# Altium PCB Even.PcbDoc (part 3 of 3)
Units mm, origin at the board's own origin, x right, y up, seen from the top; angles counter-clockwise.
Board outline 382.95 x 69.8 mm, 4 copper layers (Top Layer, Internal Top, Internal Bottom, Bottom Layer), stack 0.778 mm thick; 240 components, 191 nets, 723 pads, 380 vias.
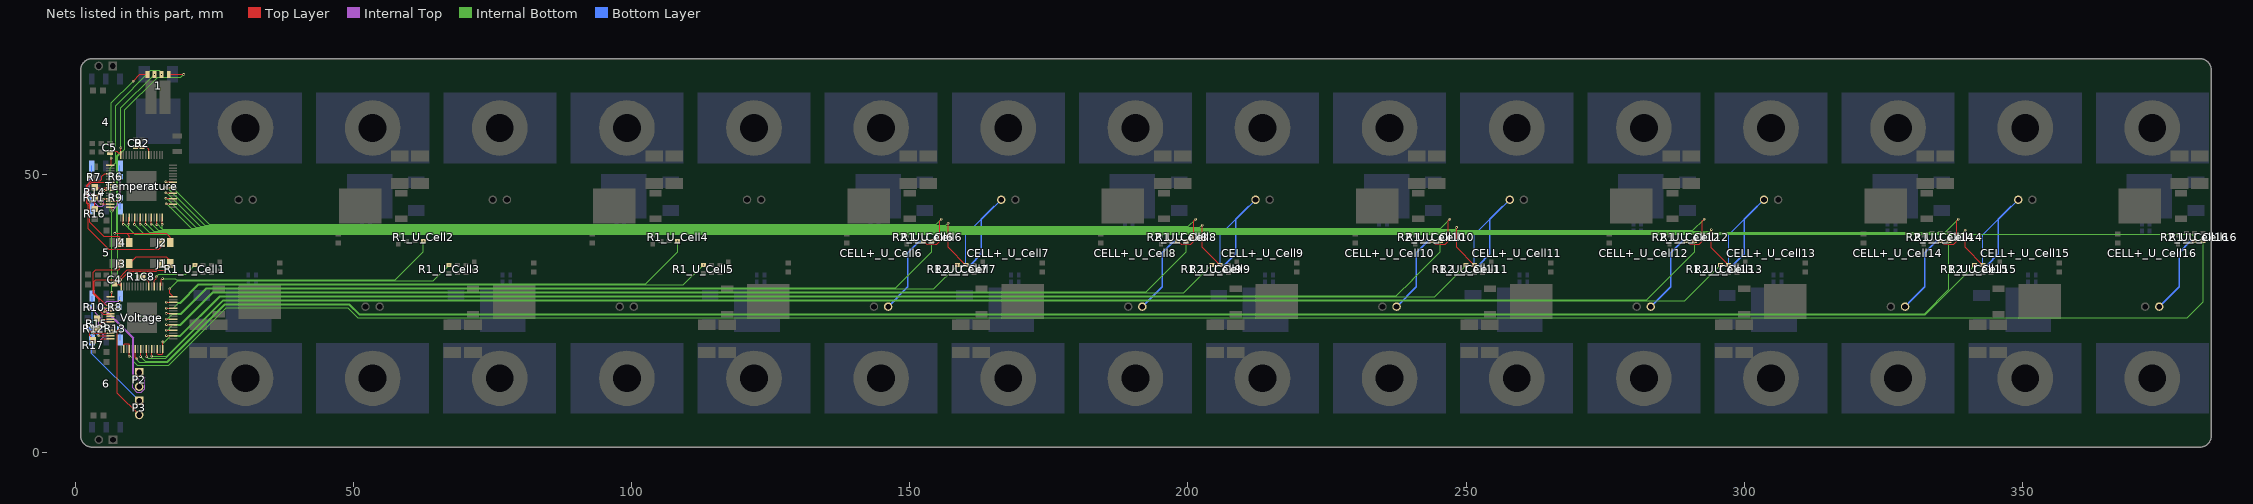
[diagram p5: the nets of this part, all layers, seen from the top]

## Via types
v1: diameter 0.45, hole 0.2, Top Layer to Bottom Layer, 282 vias
v2: diameter 3, hole 1.85, Top Layer to Bottom Layer, 96 vias
v3: diameter 3, hole 2, Top Layer to Bottom Layer, 2 vias

## Nets (pads, with @x,y where several pads share a name; then routed paths per layer and width w, separated by ;. In a path a pad name is that pad's centre, name@x,y a point inside that pad or via, vN(x,y) a via of type N, cw(c..) or ccw(c..) an arc to the next point about the centre after c; other vN are vias at no path point) (continued)
T6: CELL+_U_Cell6.1 R2_U_Cell6.1 Temperature.26 | length 166.6
  Top Layer w0.089: v1(152.475,38.05) 153.075,37.45 154.825,37.45 155.4,38.025 155.4,41.7 v1(155.7,42)
  Top Layer w0.127: v1(16.3,48.725) 17.475,48.725 Temperature.26@17.55,48.65
  Internal Bottom w0.089: v1(16.3,48.725) 16.431,48.725 24.11,41.045 154.745,41.045 v1(155.7,42)
  Bottom Layer w0.254: CELL+_U_Cell6.1@146.115,26.25 149.675,29.81 149.675,35.975 151.725,38.025 152.45,38.025 v1(152.475,38.05)
T7: CELL+_U_Cell7.1 R2_U_Cell7.1 Temperature.24 | length 181
  Top Layer w0.089: v1(16.3,47.725) 16.435,47.725 16.505,47.655 16.505,47.625 16.531,47.65 Temperature.24@17.55,47.65 ; v1(156.9,41.23) 156.9,36.9 v1(160.1,33.7)
  Internal Bottom w0.089: v1@16.505,47.65 23.288,40.867 156.437,40.867 156.8,41.23 v1(156.9,41.23)
  Bottom Layer w0.127: v1(160.1,33.7) 160.1,39.14 162.9,41.94 CELL+_U_Cell7.1@166.46,45.5
  Bottom Layer w0.254: v1@160.125,33.725 160.85,33.725 162.9,35.775 162.9,41.94 165.23,44.27
T8: CELL+_U_Cell8.1 R2_U_Cell8.1 Temperature.22 | length 211.8
  Top Layer w0.089: v1(198.175,38.05) 198.775,37.45 200.525,37.45 201.1,38.025 201.1,41.7 v1(201.4,42)
  Top Layer w0.127: v1(16.3,46.7) 17.5,46.7 Temperature.22@17.55,46.65
  Internal Bottom w0.089: v1(16.3,46.7) 16.456,46.7 22.466,40.689 156.324,40.689 156.352,40.662 156.522,40.662 156.55,40.689 200.089,40.689 v1(201.4,42)
  Bottom Layer w0.254: CELL+_U_Cell8.1@191.815,26.25 195.375,29.81 195.375,35.975 197.425,38.025 198.15,38.025 v1(198.175,38.05)
T9: CELL+_U_Cell9.1 R2_U_Cell9.1 Temperature.20 | length 225.7
  Top Layer w0.089: v1(16.3,45.7) 17.5,45.7 Temperature.20@17.55,45.65 ; v1(202.6,40.9) 202.6,36.9 v1(205.8,33.7)
  Internal Bottom w0.089: v1@16.505,45.65 21.644,40.512 156.251,40.512 156.278,40.484 156.596,40.484 156.623,40.512 202.112,40.512 202.5,40.9 v1(202.6,40.9)
  Bottom Layer w0.127: v1(205.8,33.7) 205.8,39.14 208.6,41.94 CELL+_U_Cell9.1@212.16,45.5
  Bottom Layer w0.254: v1@205.825,33.725 206.55,33.725 208.6,35.775 208.6,41.94 210.93,44.27
T10: CELL+_U_Cell10.1 R2_U_Cell10.1 Temperature.18 | length 257
  Top Layer w0.089: v1(243.875,38.05) 244.475,37.45 246.225,37.45 246.8,38.025 246.8,41.7 v1(247.1,42)
  Top Layer w0.127: v1(16.325,44.725) 17.475,44.725 Temperature.18@17.55,44.65
  Internal Bottom w0.089: v1(16.325,44.725) 16.431,44.725 20.822,40.334 156.177,40.334 156.205,40.306 156.669,40.306 156.697,40.334 201.999,40.334 202.027,40.306 202.197,40.306 202.224,40.334 245.434,40.334 246.878,41.778 v1(247.1,42)
  Bottom Layer w0.254: CELL+_U_Cell10.1@237.515,26.25 241.075,29.81 241.075,35.975 243.125,38.025 243.85,38.025 v1(243.875,38.05)
T11: CELL+_U_Cell11.1 R2_U_Cell11.1 Temperature.14 Temperature.16 | length 273.5
  Top Layer w0.089: v1(248.3,40.5) 248.3,36.9 v1(251.5,33.7)
  Top Layer w0.127: v1(14.675,41) Temperature.14@14.675,42.275 ; v1(15.625,41.025) 15.625,42.225 Temperature.16@15.675,42.275
  Internal Bottom w0.089: v1(14.675,41) 14.675,41.203 15.675,40.203 ; v1(15.625,41.025) 15.625,40.253 15.675,40.203 ; v1(248.3,40.5) 248.3,40.4 248.056,40.156 202.298,40.156 202.27,40.128 201.953,40.128 201.925,40.156 156.771,40.156 156.743,40.128 156.131,40.128 156.103,40.156 15.722,40.156 15.675,40.203
  Bottom Layer w0.127: v1(251.5,33.7) 251.5,39.14 254.3,41.94 CELL+_U_Cell11.1@257.86,45.5
  Bottom Layer w0.254: v1@251.525,33.725 252.25,33.725 254.3,35.775 254.3,41.94 256.63,44.27
T12: CELL+_U_Cell12.1 R2_U_Cell12.1 Temperature.12 | length 304.1
  Top Layer w0.089: v1(289.575,38.05) 290.175,37.45 291.925,37.45 292.5,38.025 292.5,41.7 v1(292.8,42)
  Top Layer w0.127: v1(13.65,41.075) 13.65,42.25 Temperature.12@13.675,42.275
  Internal Bottom w0.089: v1(13.65,41.075) 13.83,41.075 14.955,39.95 15.807,39.95 15.828,39.971 156.037,39.971 156.057,39.95 156.817,39.95 156.837,39.971 201.859,39.971 201.879,39.95 202.344,39.95 202.365,39.971 247.95,39.971 247.971,39.95 248.141,39.95 248.168,39.978 290.778,39.978 v1(292.8,42)
  Bottom Layer w0.254: CELL+_U_Cell12.1@283.215,26.25 286.775,29.81 286.775,35.975 288.825,38.025 289.55,38.025 v1(289.575,38.05)
T13: CELL+_U_Cell13.1 R2_U_Cell13.1 Temperature.10 | length 318.7
  Top Layer w0.089: v1(12.65,41.025) 12.65,42.25 Temperature.10@12.675,42.275 ; v1(294.107,40.107) 294.107,36.793 v1(297.2,33.7)
  Internal Bottom w0.089: v1(12.65,41.025) 12.88,41.025 14.133,39.772 15.881,39.772 15.901,39.793 155.963,39.793 155.983,39.772 156.891,39.772 156.911,39.793 201.785,39.793 201.805,39.772 202.418,39.772 202.438,39.793 247.876,39.793 247.897,39.772 248.215,39.772 248.242,39.8 293.9,39.8 294.1,40 294.1,40.1 v1(294.107,40.107)
  Bottom Layer w0.127: v1(297.2,33.7) 297.2,39.14 300,41.94 CELL+_U_Cell13.1@303.56,45.5
  Bottom Layer w0.254: v1@297.225,33.725 297.95,33.725 300,35.775 300,41.94 302.33,44.27
T14: CELL+_U_Cell14.1 R2_U_Cell14.1 Temperature.8 | length 352.1
  Top Layer w0.089: v1(335.275,38.05) 335.875,37.45 337.625,37.45 338.2,38.025 338.2,41.7 v1(338.5,42)
  Top Layer w0.127: v1(11.65,41.025) 11.65,42.25 Temperature.8@11.675,42.275
  Internal Bottom w0.089: v1(11.65,41.025) 11.88,41.025 13.311,39.595 15.955,39.595 15.975,39.615 155.889,39.615 155.91,39.595 156.964,39.595 156.985,39.615 201.711,39.615 201.732,39.595 202.491,39.595 202.512,39.615 247.803,39.615 247.823,39.595 248.288,39.595 248.309,39.615 336.115,39.615 v1(338.5,42)
  Bottom Layer w0.254: CELL+_U_Cell14.1@328.915,26.25 330.115,27.45 332.475,29.81 332.475,35.975 334.525,38.025 335.25,38.025 v1(335.275,38.05)
T15: CELL+_U_Cell15.1 R2_U_Cell15.1 Temperature.6 | length 366.4
  Top Layer w0.089: v1(10.65,41.025) 10.675,41.05 Temperature.6@10.675,42.275 ; v1(339.7,40) 339.7,36.9 v1(342.9,33.7)
  Internal Bottom w0.089: v1@10.675,41 12.258,39.417 16.028,39.417 16.049,39.437 155.816,39.437 155.836,39.417 157.038,39.417 157.058,39.437 201.638,39.437 201.658,39.417 202.565,39.417 202.586,39.437 247.729,39.437 247.75,39.417 248.362,39.417 248.382,39.437 339.137,39.437 v1(339.7,40)
  Bottom Layer w0.127: v1(342.9,33.7) 342.9,39.14 345.7,41.94 CELL+_U_Cell15.1@349.26,45.5
  Bottom Layer w0.254: v1@342.925,33.725 343.65,33.725 345.7,35.775 345.7,41.94 348.03,44.27
T16: CELL+_U_Cell16.1 R2_U_Cell16.1 Temperature.2 Temperature.4 | length 392.3
  Top Layer w0.127: v1(8.675,41.025) Temperature.2@8.675,42.275 ; v1(9.65,41.025) 9.65,42.25 Temperature.4@9.675,42.275
  Internal Bottom w0.089: v1(8.675,41.025) 8.88,41.025 9.675,40.23 ; v1(9.65,41.025) 9.65,40.255 9.675,40.23 ; 331.78,39.259 248.456,39.259 248.436,39.239 247.676,39.239 247.655,39.259 202.659,39.259 202.639,39.239 201.584,39.239 201.564,39.259 157.132,39.259 157.112,39.239 155.762,39.239 155.742,39.259 16.122,39.259 16.102,39.239 10.667,39.239 9.675,40.23 ; 331.781,39.258 354.53,39.258 354.567,39.222 369.308,39.222 369.345,39.259 380.441,39.259 380.95,38.75 380.95,38.025 v1(380.975,38.05)
  Bottom Layer w0.254: CELL+_U_Cell16.1@374.615,26.25 378.175,29.81 378.175,35.975 380.225,38.025 380.95,38.025 v1(380.975,38.05)
T_C0: C9.2 R2.1 Temperature.38 | length 3.6
  Top Layer w0.127: C9.2@10.795,54.9 12.177,54.9 12.167,54.889 12.852,54.889 13.175,54.567 Temperature.38@13.175,53.525
T_DRIVE: 1.B2 Temperature.49 | length 19.9
  Top Layer w0.127: Temperature.49@6.3,51.65 6.452,51.802 v1(6.452,52.934) ; v1(10.4,66.8) 11.575,67.975 1.B2@12.995,67.975
  Internal Bottom w0.127: v1(6.452,52.934) 6.452,62.852 6.5,62.9 v1(10.4,66.8)
T_DTEN: J2.2 Temperature.52 | length 28.9
  Top Layer w0.127: Temperature.52@6.3,50.15 5.3,50.15 4.8,49.65 4.8,49.15 4.516,48.866 2.861,48.866 2.061,48.066 2.061,44.823 2.368,44.516 2.368,40.232 6,36.6 15,36.6 15.524,37.124 J2.2@15.524,37.75
T_IBIAS: R14.2 Temperature.57 | length 2.8
  Top Layer w0.127: R14.2@3.5,47.7 3.55,47.65 Temperature.57@6.3,47.65
T_ICMP: R14.1 R16.2 Temperature.58 | length 5.6
  Top Layer w0.089: R16.2@3.5,43.8 R14.1@3.5,45.9 4.005,45.9 4.005,46.196 4.959,47.15 v1(5.255,47.15)
  Top Layer w0.127: v1(5.255,47.15) Temperature.58@6.3,47.15
T_IMACSB: 5.1 R11.1 Temperature.61 | length 7.9
  Top Layer w0.127: v1(5.004,45.568) 5.086,45.65 Temperature.61@6.3,45.65
  Internal Top w0.127: v1(2.692,45.085) v1@2.722,45.085 ; v1@2.769,45.131 v1@2.722,45.085 ; v1(5.004,45.568) 5.089,45.482 5.089,44.612 5.131,44.57 4.845,44.284 4.116,44.284 3.315,45.085 v1@2.722,45.085
  Bottom Layer w0.127: R11.1@2.6,45.8 3,45.4 2.692,45.092 v1(2.692,45.085) 2.722,45.085 2.769,45.131 3.035,44.865 5.1@3.035,43.77
T_IMB: 4.6 R7.1 Temperature.63 | length 9.9
  Top Layer w0.127: v1(4.674,44.725) 5.775,44.725 5.7,44.65 Temperature.63@6.3,44.65
  Internal Top w0.127: v1@2.6,49.5 2.54,49.5 2.5,49.5 2.5,46.805 4.362,44.943 4.362,44.938 4.575,44.725 v1(4.674,44.725)
  Bottom Layer w0.127: R7.1@2.5,49.5 R7.1@2.6,49.5 2.96,49.86 4.6@2.96,51.555
  other v1: 2.54,49.479
T_IPASCK: 5.3 R9.2 Temperature.62 | length 3.8
  Top Layer w0.127: Temperature.62@6.3,45.15 v1(8.1,45.15)
  Bottom Layer w0.127: v1(8.1,45.15) R9.2@8.1,45.8 ; 5.3@8.115,43.77 v1@8.115,45.15
T_IPB: 4.4 R6.2 Temperature.64 | length 9.3
  Top Layer w0.127: Temperature.64@6.3,44.15 6.745,43.705 v1(6.745,43.6)
  Internal Top w0.127: v1(6.745,43.6) 7.685,44.54 7.685,45.322 8.1,45.738 v1(8.1,49.6)
  Bottom Layer w0.127: 4.4@8.04,51.555 8.04,49.66 v1(8.1,49.6)
T_ISOMD: J4.2 Temperature.55 | length 18.6
  Top Layer w0.127: Temperature.55@6.3,48.65 2.95,48.65 2.277,47.977 2.277,44.913 2.585,44.605 2.585,41.416 5.1,38.9 7.8,38.9 8.226,38.474 J4.2@8.226,37.75
T_VREG: 1.E2 C5.2 J2.1 J4.1 Temperature.48 | length 48.3
  Top Layer w0.127: C5.2@6,54.2 7.5,54.2 Temperature.48@8.175,53.525 v1@8.175,54.775 ; v1(7.1,39.4) 9.25,39.4 ; J4.1@9.75,37.75 9.75,38.9 9.25,39.4 ; J2.1@17.048,37.75 17.048,38.752 16.4,39.4 9.25,39.4
  Internal Bottom w0.089: v1(8.2,54.8) 8.2,61.974 14.171,67.945 v1(14.249,67.945)
  Internal Bottom w0.127: v1(7.1,39.4) 7.469,39.768 7.469,53.374 8.2,54.105 v1(8.2,54.8)
T_WDT: Temperature.56
V1: R1_U_Cell1.1 Voltage.36 | length 9.6
  Top Layer w0.127: Voltage.36@14.25,29.875 14.25,30.95 14.575,31.275 v1(14.574,31.576)
  Internal Bottom w0.089: v1(14.574,31.576) 15.044,32.045 19.845,32.045 v1(21.5,33.7)
V2: R1_U_Cell2.1 Voltage.34 | length 52.7
  Top Layer w0.127: Voltage.34@15.25,29.875 15.463,30.088 15.463,31.185 15.57,31.293 v1(15.723,31.293)
  Internal Bottom w0.089: v1(15.723,31.293) 17.955,31.293 18.204,31.044 57.544,31.044 62.6,36.1 62.6,38.025 v1(62.575,38.05)
V3: R1_U_Cell3.1 Voltage.32 | length 53.7
  Top Layer w0.127: v1(17,29.443) 17,28.625 Voltage.32@17.625,28
  Internal Bottom w0.089: v1(17,29.443) 18.423,30.866 64.366,30.866 v1(67.2,33.7)
V4: R1_U_Cell4.1 Voltage.30 | length 98.9
  Top Layer w0.127: v1(16.375,27.051) 17.574,27.051 Voltage.30@17.625,27
  Internal Bottom w0.089: v1(16.375,27.051) 16.398,27.074 18.874,27.074 22.133,30.333 102.533,30.333 108.3,36.1 108.3,38.025 v1(108.275,38.05)
V5: R1_U_Cell5.1 Voltage.28 | length 100.6
  Top Layer w0.127: v1@16.581,26 Voltage.28@17.625,26
  Internal Bottom w0.089: v1@16.581,26 17.609,26 18.506,26.896 18.948,26.896 22.206,30.155 109.33,30.155 v1@112.9,33.725
  other v1: 16.375,26 112.9,33.7
V6: R1_U_Cell6.1 Voltage.26 | length 145.9
  Top Layer w0.127: v1(16.358,25.019) 17.606,25.019 Voltage.26@17.625,25
  Internal Bottom w0.089: v1(16.358,25.019) 16.413,25.074 18.974,25.074 23.521,29.621 146.321,29.621 ; 145.85,29.625 147.525,29.625 154,36.1 154,38.025 v1(153.975,38.05)
V7: R1_U_Cell7.1 Voltage.24 | length 147.6
  Top Layer w0.089: v1(16.358,24.003) 17.622,24.003 Voltage.24@17.625,24
  Internal Bottom w0.089: v1(16.358,24.003) 16.581,24.003 17.474,24.896 19.054,24.896 23.601,29.443 154.335,29.443 v1@158.623,33.731
  other v1: 158.6,33.7
V8: R1_U_Cell8.1 Voltage.22 | length 191.9
  Top Layer w0.127: v1(16.383,23.012) 17.613,23.012 Voltage.22@17.625,23
  Internal Bottom w0.089: v1(16.383,23.012) 16.449,23.079 18.862,23.079 24.693,28.909 192.509,28.909 199.7,36.1 199.7,38.025 v1(199.675,38.05)
V9: R1_U_Cell9.1 Voltage.20 | length 194
  Top Layer w0.089: v1(16.383,22.047) 16.43,22 Voltage.20@17.625,22
  Internal Bottom w0.089: v1(16.383,22.047) 16.612,22.047 17.465,22.901 18.936,22.901 24.767,28.732 199.293,28.732 v1@204.318,33.757
  other v1: 204.3,33.7
V10: R1_U_Cell10.1 Voltage.18 | length 238.7
  Top Layer w0.089: v1(16.383,21.057) 16.44,21 Voltage.18@17.625,21
  Internal Bottom w0.089: v1(16.383,21.057) 16.401,21.074 18.839,21.074 25.963,28.198 237.498,28.198 240.475,31.175 ; 240.344,31.044 245.4,36.1 245.4,38.025 v1(245.375,38.05)
V11: R1_U_Cell11.1 Voltage.14 Voltage.16 | length 244.3
  Top Layer w0.089: Voltage.14@14.75,18.625 14.783,18.592 14.783,17.805 14.935,17.653 15.596,17.653 15.75,17.808 Voltage.16@15.75,18.625 15.775,18.65 v1(15.775,19.9)
  Internal Bottom w0.089: v1(15.775,19.9) 15.775,19.705 15.811,19.67 17.037,20.896 18.913,20.896 26.036,28.02 244.377,28.02 v1@250.012,33.655
  other v1: 250,33.7
V12: R1_U_Cell12.1 Voltage.12 | length 288.4
  Top Layer w0.089: v1(13.716,17.374) 13.75,17.408 Voltage.12@13.75,18.625
  Internal Bottom w0.089: v1(13.716,17.374) 16.454,17.374 26.566,27.486 282.486,27.486 291.1,36.1 291.1,38.025 v1(291.075,38.05)
V13: R1_U_Cell13.1 Voltage.10 | length 291.3
  Top Layer w0.089: Voltage.10@12.75,18.625 12.75,18.543 12.802,18.491 12.751,18.44 12.851,18.341 v1(12.851,17.247)
  Internal Bottom w0.089: v1(12.851,17.247) 13.12,16.977 16.309,16.977 26.64,27.308 289.308,27.308 v1(295.7,33.7)
V14: R1_U_Cell14.1 Voltage.8 | length 342.4
  Top Layer w0.089: Voltage.8@11.75,18.625 11.75,17.325 v1@11.76,17.335 ; v1(11.76,17.284) v1@11.76,17.335 ; v1@11.775,17.35 v1@11.76,17.335 ; v1@11.775,17.35 v1@11.76,17.335
  Internal Bottom w0.089: v1(11.76,17.284) 11.76,17.273 12.59,16.443 16.53,16.443 26.861,26.775 49.28,26.775 51.094,24.961 332.43,24.961 336.8,29.331 336.8,38.025 v1(336.775,38.05)
V15: R1_U_Cell15.1 Voltage.6 | length 341.2
  Top Layer w0.089: Voltage.6@10.75,18.625 10.75,17.107 v1@10.931,16.926
  Internal Bottom w0.089: v1(11.074,16.866) 11.125,16.815 11.125,16.641 11.5,16.266 16.604,16.266 26.935,26.597 49.207,26.597 51.02,24.783 332.504,24.783 v1@341.401,33.68
  other v1: 341.4,33.7
V16: R1_U_Cell16.1 Voltage.2 Voltage.4 | length 395.1
  Top Layer w0.089: Voltage.2@8.75,18.625 8.75,19.387 8.895,19.533 9.601,19.533 9.75,19.384 Voltage.4@9.75,18.625 9.75,17.41 v1(9.675,17.335)
  Internal Bottom w0.089: v1(9.675,17.335) 9.675,17.45 9.754,17.529 10.322,16.96 10.322,16.554 11.144,15.732 16.825,15.732 27.153,26.06 48.988,26.06 50.799,24.249 379.624,24.249 382.5,27.125 382.5,38.025 v1(382.475,38.05)
V_C0: C8.1 R1.2 Voltage.38 | length 3.5
  Top Layer w0.127: C8.1@12.3,31.6 12.3,31.013 12.971,31.013 13.25,30.734 Voltage.38@13.25,29.875
  Top Layer w0.254: R1.2@11.3,31.6 C8.1@12.3,31.6
V_DRIVE: 1.B1 Voltage.49 | length 46.3
  Top Layer w0.127: Voltage.49@6.375,28 6.6,28.225 v1(6.6,28.8)
  Internal Bottom w0.127: v1(6.6,28.8) 6.6,43.157 6.329,43.428 6.329,51.23 7.253,52.152 7.253,62.352 13.6,68.7 15.1,68.7 15.5,68.3 v1(15.5,68)
V_DTEN: J1.2 Voltage.52 | length 19.4
  Top Layer w0.127: Voltage.52@6.375,26.5 5.606,26.5 3.447,28.658 3.447,30.847 3.7,31.1 7.627,31.1 9.368,32.841 14.441,32.841 15.524,33.924 J1.2@15.524,34
V_IBIAS: R15.2 Voltage.57 | length 2.6
  Top Layer w0.127: R15.2@3.9,24.1 4.42,24.1 4.42,24 Voltage.57@6.375,24
V_ICMP: R15.1 R17.2 Voltage.58 | length 6.4
  Top Layer w0.127: R17.2@3.2,20.2 3.2,20.692 2.952,20.692 2.619,21.025 2.619,21.64 2.863,21.883 3.296,21.883 3.304,21.875 4.929,23.5 Voltage.58@6.375,23.5
V_IMACSB: 6.6 P3.2 R13.1 Voltage.61 | length 20.8
  Top Layer w0.127: Voltage.61@6.375,22 7.3,22 ; v1(8,22.3) 7.7,22 7.3,22 ; P3.2@11.5,6.78 7.6,10.68 7.6,21.7 7.3,22
  Bottom Layer w0.127: v1(8,22.3) 8.09,22.21 6.6@8.09,20.22
V_IMB: 5.6 R10.1 Voltage.63 | length 16.1
  Top Layer w0.127: v1(4.241,21) Voltage.63@6.375,21
  Internal Top w0.127: v1@2.6,26.1 2.6,26.2 4.6,24.2 4.241,23.841 v1(4.241,21)
  Bottom Layer w0.127: 5.6@3.035,28.13 3.035,23.051 3.531,22.555 3.531,21.666 4.197,21 v1(4.241,21)
  other v1: 2.591,26.15
V_IPASCK: 6.4 P3.1 R12.2 Voltage.62 | length 22
  Top Layer w0.127: v1(3.035,21.467) 3.526,21.467 3.559,21.5 Voltage.62@6.375,21.5
  Bottom Layer w0.127: v1(3.035,21.467) 3.035,21.4 3.124,21.311 3.023,21.209 3.023,21.83 ; P3.1@11.5,9.32 3.01,17.81 6.4@3.01,20.22 3.01,21.83 ; 3.01,21.83 R12.2@2.54,22.3 3.023,22.3 3.023,21.83 ; 3.01,21.83 3.023,21.83
V_IPB: 5.4 R8.2 Voltage.64 | length 15.1
  Top Layer w0.127: v1(4.463,19.714) 4.463,20.117 4.846,20.5 Voltage.64@6.375,20.5
  Internal Top w0.127: v1(4.463,19.714) 4.463,20.11 4.623,20.27 4.6,20.292 5.08,20.772 5.08,21.152 4.816,21.416 4.816,25.096 4.784,25.128 4.784,26.172 4.816,26.204 4.816,26.316 5.7,27.2 v1(8,27.2)
  Bottom Layer w0.127: R8.2@8,26.1 v1(8,27.2) 8,28.015 5.4@8.115,28.13
V_ISOMD: J3.2 Voltage.55 | length 15.7
  Top Layer w0.127: Voltage.55@6.375,25 6.259,24.884 5.028,24.884 4.3,25.612 4.3,27.5 3.231,28.568 3.231,32.431 3.7,32.9 7.825,32.9 8.226,33.301 J3.2@8.226,34
V_SDI: P2.2 Voltage.53 | length 18.2
  Top Layer w0.127: v1(5.2,26) Voltage.53@6.375,26
  Internal Top w0.127: v1(5.2,26) 10.534,20.665 10.534,13.546 10.646,13.435 11.111,13.435 11.5,13.046 P2.2@11.5,11.86
V_SDO: P2.1 Voltage.54 | length 23.3
  Top Layer w0.127: v1(5.2,25.3) 5.4,25.5 Voltage.54@6.375,25.5
  Internal Top w0.127: v1(5.2,25.3) 5.595,25.3 10.318,20.576 10.318,11.676 11.1,10.895 11.9,10.895 12.466,11.46 12.466,13.435 P2.1@11.5,14.4
V_VREG: 1.E1 C4.2 J1.1 J3.1 Voltage.48 | length 68.8
  Top Layer w0.127: C4.2@7.1,30.3 7.825,30.3 Voltage.48@8.25,29.875 8.153,29.972 v1(8.153,31.039) 9.698,32.583 14.548,32.583 14.765,32.8 16.2,32.8 17.048,33.648 J1.1@17.048,34 17.048,34.552 16.4,35.2 10.95,35.2 J3.1@9.75,34 ; 1.E1@16.805,67.975 19.5,67.975 v1(19.5,68)
  Internal Bottom w0.127: v1(8.153,31.039) 8.161,31.039 8.2,31 7.685,31.516 7.685,53.284 8.9,54.5 8.9,61.6 14.8,67.5 19,67.5 v1(19.5,68)
V_WDT: Voltage.56
pads on no net: Temperature.3 Temperature.5 Temperature.7 Temperature.9 Temperature.11 Temperature.13 Temperature.15 Temperature.17 Temperature.19 Temperature.21 Temperature.23 Temperature.25 Temperature.27 Temperature.29 Temperature.31 Temperature.33 Temperature.35 Temperature.37 Temperature.39 Temperature.40 Temperature.41 Temperature.42 Temperature.43 Temperature.44 Temperature.45 Temperature.46 Temperature.47 Temperature.53 Temperature.54 Voltage.3 Voltage.15 Voltage.39 Voltage.40 Voltage.41 Voltage.42 Voltage.43 Voltage.44 Voltage.45 Voltage.46 Voltage.47

## Polygon pours and split planes (outlines as drawn)
GND on Top Layer "Top Layer-GND" (solid, pour order 366): 1.255,56.058 20.218,56.058 20.218,1.041 1.143,1.041 1.001,1.184
Net3_U_Cell11_2 on Top Layer "NET3_U_CELL11_2_L01_P339" (solid, pour order 339): 255.2,32.5 263.35,32.5 263.35,35.5 291.85,35.5 291.85,19.8 269.3,19.8 255.2,19.8
Net3_U_Cell1_2 on Top Layer "NET3_U_CELL1_2_L01_P331" (solid, pour order 331): 26.7,32.5 34.85,32.5 34.85,35.5 63.35,35.5 63.35,19.8 40.8,19.8 26.7,19.8
Net3_U_Cell3_2 on Top Layer "NET3_U_CELL3_2_L01_P338" (solid, pour order 338): 72.4,32.5 80.55,32.5 80.55,35.5 109.05,35.5 109.05,19.8 86.5,19.8 72.4,19.8
no net on Top Layer "Top Layer-No Net" (solid, pour order 254): 72.175,36.2
no net on Top Layer "Top Layer-No Net" (solid, pour order 253): 72.175,36.2
Net3_U_Cell2_2 on Top Layer "NET3_U_CELL2_2_L01_P332" (solid, pour order 332): 57.375,39.25 49.225,39.25 49.225,36.25 20.725,36.25 20.725,51.95 43.275,51.95 57.375,51.95
Net1_C1 on Top Layer "Top Layer-Net1_C1" (solid, pour order 363): 4.117,70.637 20.193,70.637 20.193,56.312 4.164,56.312
Net3_U_Cell16_2 on Top Layer "NET3_U_CELL16_2_L01_P346" (solid, pour order 346): 377.275,39.25 369.125,39.25 369.125,36.25 340.625,36.25 340.625,51.95 363.175,51.95 377.275,51.95
Net3_U_Cell14_2 on Top Layer "NET3_U_CELL14_2_L01_P345" (solid, pour order 345): 331.575,39.25 323.425,39.25 323.425,36.25 294.925,36.25 294.925,51.95 317.475,51.95 331.575,51.95
Net3_U_Cell12_2 on Top Layer "NET3_U_CELL12_2_L01_P344" (solid, pour order 344): 285.875,39.25 277.725,39.25 277.725,36.25 249.225,36.25 249.225,51.95 271.775,51.95 285.875,51.95
Net3_U_Cell10_2 on Top Layer "NET3_U_CELL10_2_L01_P343" (solid, pour order 343): 240.175,39.25 232.025,39.25 232.025,36.25 203.525,36.25 203.525,51.95 226.075,51.95 240.175,51.95
Net3_U_Cell8_2 on Top Layer "NET3_U_CELL8_2_L01_P342" (solid, pour order 342): 194.475,39.25 186.325,39.25 186.325,36.25 157.825,36.25 157.825,51.95 180.375,51.95 194.475,51.95
Net3_U_Cell6_2 on Top Layer "NET3_U_CELL6_2_L01_P341" (solid, pour order 341): 148.775,39.25 140.625,39.25 140.625,36.25 112.125,36.25 112.125,51.95 134.675,51.95 148.775,51.95
Net3_U_Cell4_2 on Top Layer "NET3_U_CELL4_2_L01_P340" (solid, pour order 340): 103.075,39.25 94.925,39.25 94.925,36.25 66.425,36.25 66.425,51.95 88.975,51.95 103.075,51.95
Net3_U_Cell15_2 on Top Layer "NET3_U_CELL15_2_L01_P337" (solid, pour order 337): 346.6,32.5 354.75,32.5 354.75,35.5 383.25,35.5 383.25,19.8 360.7,19.8 346.6,19.8
Net3_U_Cell13_2 on Top Layer "NET3_U_CELL13_2_L01_P336" (solid, pour order 336): 300.9,32.5 309.05,32.5 309.05,35.5 337.55,35.5 337.55,19.8 315,19.8 300.9,19.8
Net3_U_Cell9_2 on Top Layer "NET3_U_CELL9_2_L01_P335" (solid, pour order 335): 209.5,32.5 217.65,32.5 217.65,35.5 246.15,35.5 246.15,19.8 223.6,19.8 209.5,19.8
Net3_U_Cell7_2 on Top Layer "NET3_U_CELL7_2_L01_P334" (solid, pour order 334): 163.8,32.5 171.95,32.5 171.95,35.5 200.45,35.5 200.45,19.8 177.9,19.8 163.8,19.8
Net3_U_Cell5_2 on Top Layer "NET3_U_CELL5_2_L01_P333" (solid, pour order 333): 118.1,32.5 126.25,32.5 126.25,35.5 154.75,35.5 154.75,19.8 132.2,19.8 118.1,19.8
no net on Top Layer "Top Layer-No Net" (solid, pour order 252): 72.175,36.2
no net on Top Layer "Top Layer-No Net" (solid, pour order 255): 72.175,36.2
no net on Top Layer "Top Layer-No Net 1" (solid, pour order 370): 2.311,59.919
no net on Top Layer "Top Layer-No Net 2" (solid, pour order 369): 2.591,58.674
GND on Top Layer "Top Layer-GND 1" (solid, pour order 368): 1.245,70.779 1.346,70.678 4.269,70.678 4.269,55.079 4.291,55.057 4.176,54.942 1.245,54.942
no net on Top Layer "Top Layer-No Net" (solid, pour order 330): 377.5,35.55
no net on Top Layer "Top Layer-No Net" (solid, pour order 329): 377.5,35.55
no net on Top Layer "Top Layer-No Net" (solid, pour order 328): 331.8,35.55
no net on Top Layer "Top Layer-No Net" (solid, pour order 327): 331.8,35.55
no net on Top Layer "Top Layer-No Net" (solid, pour order 326): 286.1,35.55
no net on Top Layer "Top Layer-No Net" (solid, pour order 325): 286.1,35.55
no net on Top Layer "Top Layer-No Net" (solid, pour order 324): 240.4,35.55
no net on Top Layer "Top Layer-No Net" (solid, pour order 323): 240.4,35.55
no net on Top Layer "Top Layer-No Net" (solid, pour order 322): 194.7,35.55
no net on Top Layer "Top Layer-No Net" (solid, pour order 321): 194.7,35.55
no net on Top Layer "Top Layer-No Net" (solid, pour order 320): 149,35.55
no net on Top Layer "Top Layer-No Net" (solid, pour order 319): 149,35.55
no net on Top Layer "Top Layer-No Net" (solid, pour order 318): 103.3,35.55
no net on Top Layer "Top Layer-No Net" (solid, pour order 317): 103.3,35.55
no net on Top Layer "Top Layer-No Net" (solid, pour order 316): 287.725,35.55
no net on Top Layer "Top Layer-No Net" (solid, pour order 315): 287.725,35.55
no net on Top Layer "Top Layer-No Net" (solid, pour order 314): 254.975,36.2
no net on Top Layer "Top Layer-No Net" (solid, pour order 313): 346.375,36.2
no net on Top Layer "Top Layer-No Net" (solid, pour order 312): 300.675,36.2
no net on Top Layer "Top Layer-No Net" (solid, pour order 311): 209.275,36.2
no net on Top Layer "Top Layer-No Net" (solid, pour order 310): 163.575,36.2
no net on Top Layer "Top Layer-No Net" (solid, pour order 309): 117.875,36.2
no net on Top Layer "Top Layer-No Net" (solid, pour order 308): 72.175,36.2
no net on Top Layer "Top Layer-No Net" (solid, pour order 307): 57.6,35.55
no net on Top Layer "Top Layer-No Net" (solid, pour order 306): 57.6,35.55
no net on Top Layer "Top Layer-No Net" (solid, pour order 305): 279.725,36.2
no net on Top Layer "Top Layer-No Net" (solid, pour order 304): 277.825,36.2
no net on Top Layer "Top Layer-No Net" (solid, pour order 303): 277.825,36.2
no net on Top Layer "Top Layer-No Net" (solid, pour order 302): 371.125,36.2
no net on Top Layer "Top Layer-No Net" (solid, pour order 301): 162.526,83.376
no net on Top Layer "Top Layer-No Net" (solid, pour order 300): 325.425,36.2
no net on Top Layer "Top Layer-No Net" (solid, pour order 299): 425.849,133.748
no net on Top Layer "Top Layer-No Net" (solid, pour order 298): 339.025,35.3
no net on Top Layer "Top Layer-No Net" (solid, pour order 297): 234.025,36.2
no net on Top Layer "Top Layer-No Net" (solid, pour order 296): 264.425,35.55
no net on Top Layer "Top Layer-No Net" (solid, pour order 295): 188.325,36.2
no net on Top Layer "Top Layer-No Net" (solid, pour order 294): 218.725,35.55
no net on Top Layer "Top Layer-No Net" (solid, pour order 293): 142.625,36.2
no net on Top Layer "Top Layer-No Net" (solid, pour order 292): 424.524,410.049
no net on Top Layer "Top Layer-No Net" (solid, pour order 291): 96.925,36.2
no net on Top Layer "Top Layer-No Net" (solid, pour order 290): 15.05,32.002
no net on Top Layer "Top Layer-No Net" (solid, pour order 289): 346.375,36.2
no net on Top Layer "Top Layer-No Net" (solid, pour order 288): 300.675,36.2
no net on Top Layer "Top Layer-No Net" (solid, pour order 287): 254.975,36.2
no net on Top Layer "Top Layer-No Net" (solid, pour order 286): 209.275,36.2
no net on Top Layer "Top Layer-No Net" (solid, pour order 285): 163.575,36.2
no net on Top Layer "Top Layer-No Net" (solid, pour order 284): 117.875,36.2
no net on Top Layer "Top Layer-No Net" (solid, pour order 283): 72.175,36.2
no net on Top Layer "Top Layer-No Net" (solid, pour order 282): 300.675,36.2
no net on Top Layer "Top Layer-No Net" (solid, pour order 281): 323.525,36.2
no net on Top Layer "Top Layer-No Net" (solid, pour order 280): 346.375,36.2
no net on Top Layer "Top Layer-No Net" (solid, pour order 279): 369.225,36.2
no net on Top Layer "Top Layer-No Net" (solid, pour order 278): 254.975,36.2
no net on Top Layer "Top Layer-No Net" (solid, pour order 277): 232.125,36.2
no net on Top Layer "Top Layer-No Net" (solid, pour order 276): 209.275,36.2
no net on Top Layer "Top Layer-No Net" (solid, pour order 275): 186.425,36.2
no net on Top Layer "Top Layer-No Net" (solid, pour order 274): 163.575,36.2
no net on Top Layer "Top Layer-No Net" (solid, pour order 273): 140.725,36.2
no net on Top Layer "Top Layer-No Net" (solid, pour order 272): 140.725,36.2
no net on Top Layer "Top Layer-No Net" (solid, pour order 271): 117.875,36.2
no net on Top Layer "Top Layer-No Net" (solid, pour order 270): 95.025,36.2
no net on Top Layer "Top Layer-No Net" (solid, pour order 269): 72.175,36.2
no net on Top Layer "Top Layer-No Net" (solid, pour order 268): 369.225,36.2
no net on Top Layer "Top Layer-No Net" (solid, pour order 267): 346.375,36.2
no net on Top Layer "Top Layer-No Net" (solid, pour order 266): 323.525,36.2
no net on Top Layer "Top Layer-No Net" (solid, pour order 265): 300.675,36.2
no net on Top Layer "Top Layer-No Net" (solid, pour order 264): 254.975,36.2
no net on Top Layer "Top Layer-No Net" (solid, pour order 263): 232.125,36.2
no net on Top Layer "Top Layer-No Net" (solid, pour order 262): 209.275,36.2
no net on Top Layer "Top Layer-No Net" (solid, pour order 261): 186.425,36.2
no net on Top Layer "Top Layer-No Net" (solid, pour order 260): 163.575,36.2
no net on Top Layer "Top Layer-No Net" (solid, pour order 259): 140.725,36.2
no net on Top Layer "Top Layer-No Net" (solid, pour order 258): 117.875,36.2
no net on Top Layer "Top Layer-No Net" (solid, pour order 257): 95.025,36.2
no net on Top Layer "Top Layer-No Net" (solid, pour order 256): 72.175,36.2
no net on Top Layer "Top Layer-No Net" (solid, pour order 251): 26.475,36.2
Net1_C1 on Bottom Layer "Bottom Layer-Net1_C1" (solid, pour order 364): 1.27,70.637 20.193,70.637 20.193,55.347 1.295,55.347
F_U_Cell1 on Bottom Layer "F_U_CELL1_L04_P347" (solid, pour order 347): 26.45,32.5 34.875,32.5 34.875,35.5 63.35,35.5 63.35,19.998 41,19.998 40.879,20.121 26.45,19.998
GND on Bottom Layer "Bottom Layer-GND" (solid, pour order 367): 1.295,55.347 20.193,55.347 20.193,1.168 20.32,1.041 20.295,1.016 1.041,1.016
F_U_Cell11 on Bottom Layer "F_U_CELL11_L04_P360" (solid, pour order 360): 254.95,32.5 263.375,32.5 263.375,35.5 291.85,35.5 291.85,19.998 269.5,19.998 269.379,20.121 254.95,19.998
F_U_Cell7 on Bottom Layer "F_U_CELL7_L04_P350" (solid, pour order 350): 163.55,32.5 171.975,32.5 171.975,35.5 200.45,35.5 200.45,19.998 178.1,19.998 177.979,20.121 163.55,19.998
F_U_Cell6 on Bottom Layer "F_U_CELL6_L04_P356" (solid, pour order 356): 149.025,39.25 140.6,39.25 140.6,36.25 112.125,36.25 112.125,51.752 134.475,51.752 134.596,51.629 149.025,51.752
F_U_Cell15 on Bottom Layer "F_U_CELL15_L04_P353" (solid, pour order 353): 346.35,32.5 354.775,32.5 354.775,35.5 383.25,35.5 383.25,19.998 360.9,19.998 360.779,20.121 346.35,19.998
F_U_Cell13 on Bottom Layer "F_U_CELL13_L04_P352" (solid, pour order 352): 300.65,32.5 309.075,32.5 309.075,35.5 337.55,35.5 337.55,19.998 315.2,19.998 315.079,20.121 300.65,19.998
F_U_Cell9 on Bottom Layer "F_U_CELL9_L04_P351" (solid, pour order 351): 209.25,32.5 217.675,32.5 217.675,35.5 246.15,35.5 246.15,19.998 223.8,19.998 223.679,20.121 209.25,19.998
F_U_Cell5 on Bottom Layer "F_U_CELL5_L04_P349" (solid, pour order 349): 117.85,32.5 126.275,32.5 126.275,35.5 154.75,35.5 154.75,19.998 132.4,19.998 132.279,20.121 117.85,19.998
F_U_Cell3 on Bottom Layer "F_U_CELL3_L04_P354" (solid, pour order 354): 72.15,32.5 80.575,32.5 80.575,35.5 109.05,35.5 109.05,19.998 86.7,19.998 86.579,20.121 72.15,19.998
F_U_Cell4 on Bottom Layer "F_U_CELL4_L04_P355" (solid, pour order 355): 103.325,39.25 94.9,39.25 94.9,36.25 66.425,36.25 66.425,51.752 88.775,51.752 88.896,51.629 103.325,51.752
F_U_Cell8 on Bottom Layer "F_U_CELL8_L04_P357" (solid, pour order 357): 194.725,39.25 186.3,39.25 186.3,36.25 157.825,36.25 157.825,51.752 180.175,51.752 180.296,51.629 194.725,51.752
F_U_Cell10 on Bottom Layer "F_U_CELL10_L04_P358" (solid, pour order 358): 240.425,39.25 232,39.25 232,36.25 203.525,36.25 203.525,51.752 225.875,51.752 225.996,51.629 240.425,51.752
F_U_Cell12 on Bottom Layer "F_U_CELL12_L04_P359" (solid, pour order 359): 286.125,39.25 277.7,39.25 277.7,36.25 249.225,36.25 249.225,51.752 271.575,51.752 271.696,51.629 286.125,51.752
F_U_Cell14 on Bottom Layer "F_U_CELL14_L04_P361" (solid, pour order 361): 331.825,39.25 323.4,39.25 323.4,36.25 294.925,36.25 294.925,51.752 317.275,51.752 317.396,51.629 331.825,51.752
F_U_Cell16 on Bottom Layer "F_U_CELL16_L04_P362" (solid, pour order 362): 377.525,39.25 369.1,39.25 369.1,36.25 340.625,36.25 340.625,51.752 362.975,51.752 363.096,51.629 377.525,51.752
F_U_Cell2 on Bottom Layer "F_U_CELL2_L04_P348" (solid, pour order 348): 57.625,39.25 49.2,39.25 49.2,36.25 20.725,36.25 20.725,51.752 43.075,51.752 43.196,51.629 57.625,51.752
GND on Internal Top "Internal Top-GND" (solid, pour order 365): 1.092,70.587 383.667,70.587 383.667,1.422 383.337,1.092 1.067,1.092

## Silkscreen, mask and mechanical layers (free items; w line width, h text height)
Top Overlay:
  lines w0.254: 1,35.9 9.5,35.9 ; 13.2,35.9 17.65,35.9
  text "Fuse 0.1A" at 61.45,62.3 h0.91 r270
  text "Fuse 0.1A" at 107.15,62.3 h0.91 r270
  text "Fuse 0.1A" at 152.85,62.3 h0.91 r270
  text "Fuse 0.1A" at 198.55,62.3 h0.91 r270
  text "Fuse 0.1A" at 244.25,62.3 h0.91 r270
  text "Fuse 0.1A" at 289.95,62.3 h0.91 r270
  text "Fuse 0.1A" at 335.65,62.3 h0.91 r270
  text "Fuse 0.1A" at 381.35,62.3 h0.91 r270
  text "Fuse 1A" at 58.9,60.61 h0.91 r270
  text "Fuse 1A" at 104.6,60.61 h0.91 r270
  text "Fuse 1A" at 150.3,60.61 h0.91 r270
  text "Fuse 1A" at 196,60.61 h0.91 r270
  text "Fuse 1A" at 241.7,60.61 h0.91 r270
  text "Fuse 1A" at 287.4,60.61 h0.91 r270
  text "Fuse 1A" at 333.1,60.61 h0.91 r270
  text "Fuse 1A" at 378.8,60.61 h0.91 r270
  text "Discharge" at 25.5,43.25 h0.91 r270
  text "Discharge" at 71.2,43.25 h0.91 r270
  text "Discharge" at 71.2,43.25 h0.91 r270
  text "Discharge" at 71.2,43.25 h0.91 r270
  text "Discharge" at 71.2,43.25 h0.91 r270
  text "Discharge" at 71.2,43.25 h0.91 r270
  text "Discharge" at 116.9,43.25 h0.91 r270
  text "Discharge" at 162.6,43.25 h0.91 r270
  text "Discharge" at 208.3,43.25 h0.91 r270
  text "Discharge" at 254,43.25 h0.91 r270
  text "Discharge" at 299.7,43.25 h0.91 r270
  text "Discharge" at 345.4,43.25 h0.91 r270
  text "C1 10n" at 36.449,39.95 h0.91 r270
  text "C1 10n" at 82.149,39.95 h0.91 r270
  text "C1 10n" at 82.149,39.95 h0.91 r270
  text "C1 10n" at 82.149,39.95 h0.91 r270
  text "C1 10n" at 82.149,39.95 h0.91 r270
  text "C1 10n" at 127.849,39.95 h0.91 r270
  text "C1 10n" at 173.549,39.95 h0.91 r270
  text "C1 10n" at 219.249,39.95 h0.91 r270
  text "C1 10n" at 264.949,39.95 h0.91 r270
  text "C1 10n" at 310.649,39.95 h0.91 r270
  text "C1 10n" at 356.349,39.95 h0.91 r270
  text "R1 100" at 20.75,39.75 h0.91 r270
  text "R2 2K" at 22.25,39.75 h0.91 r270
  text "R4 330" at 23.75,39.75 h0.91 r270
  text "R1 100" at 66.45,39.75 h0.91 r270
  text "R1 100" at 66.45,39.75 h0.91 r270
  text "R1 100" at 66.45,39.75 h0.91 r270
  text "R1 100" at 66.45,39.75 h0.91 r270
  text "R1 100" at 66.45,39.75 h0.91 r270
  text "R2 2K" at 67.95,39.75 h0.91 r270
  text "R2 2K" at 67.95,39.75 h0.91 r270
  text "R2 2K" at 67.95,39.75 h0.91 r270
  text "R2 2K" at 67.95,39.75 h0.91 r270
  text "R2 2K" at 67.95,39.75 h0.91 r270
  text "R4 330" at 69.45,39.75 h0.91 r270
  text "R4 330" at 69.45,39.75 h0.91 r270
  text "R4 330" at 69.45,39.75 h0.91 r270
  text "R4 330" at 69.45,39.75 h0.91 r270
  text "R4 330" at 69.45,39.75 h0.91 r270
  text "R1 100" at 112.15,39.75 h0.91 r270
  text "R2 2K" at 113.65,39.75 h0.91 r270
  text "R4 330" at 115.15,39.75 h0.91 r270
  text "R1 100" at 157.85,39.75 h0.91 r270
  text "R2 2K" at 159.35,39.75 h0.91 r270
  text "R4 330" at 160.85,39.75 h0.91 r270
  text "R1 100" at 203.55,39.75 h0.91 r270
  text "R2 2K" at 205.05,39.75 h0.91 r270
  text "R4 330" at 206.55,39.75 h0.91 r270
  text "R1 100" at 249.25,39.75 h0.91 r270
  text "R2 2K" at 250.75,39.75 h0.91 r270
  text "R4 330" at 252.25,39.75 h0.91 r270
  text "R1 100" at 294.95,39.75 h0.91 r270
  text "R2 2K" at 296.45,39.75 h0.91 r270
  text "R4 330" at 297.95,39.75 h0.91 r270
  text "R1 100" at 340.65,39.75 h0.91 r270
  text "R2 2K" at 342.15,39.75 h0.91 r270
  text "R4 330" at 343.65,39.75 h0.91 r270
  text "isoSPI" at 11,38.25 h0.91 r270
  text "DTEN" at 18.25,37.5 h0.91 r270
  text "C1 10n" at 46.75,36.275 h0.91 r270
  text "Discharge" at 57.8,36.275 h0.91 r270
  text "R4 330" at 59.15,36.275 h0.91 r270
  text "R2 2K" at 60.625,36.275 h0.91 r270
  text "R1 100" at 62.15,36.275 h0.91 r270
  text "C1 10n" at 92.45,36.275 h0.91 r270
  text "Discharge" at 103.5,36.275 h0.91 r270
  text "R4 330" at 104.85,36.275 h0.91 r270
  text "R2 2K" at 106.325,36.275 h0.91 r270
  text "R1 100" at 107.85,36.275 h0.91 r270
  text "C1 10n" at 138.15,36.275 h0.91 r270
  text "Discharge" at 149.2,36.275 h0.91 r270
  text "R4 330" at 150.55,36.275 h0.91 r270
  text "R2 2K" at 152.025,36.275 h0.91 r270
  text "R1 100" at 153.55,36.275 h0.91 r270
  text "C1 10n" at 183.85,36.275 h0.91 r270
  text "Discharge" at 194.9,36.275 h0.91 r270
  text "R4 330" at 196.25,36.275 h0.91 r270
  text "R2 2K" at 197.725,36.275 h0.91 r270
  text "R1 100" at 199.25,36.275 h0.91 r270
  text "C1 10n" at 229.55,36.275 h0.91 r270
  text "Discharge" at 240.6,36.275 h0.91 r270
  text "R4 330" at 241.95,36.275 h0.91 r270
  text "R2 2K" at 243.425,36.275 h0.91 r270
  text "R1 100" at 244.95,36.275 h0.91 r270
  text "C1 10n" at 275.25,36.275 h0.91 r270
  text "Discharge" at 286.3,36.275 h0.91 r270
  text "R4 330" at 287.65,36.275 h0.91 r270
  text "R2 2K" at 289.125,36.275 h0.91 r270
  text "R1 100" at 290.65,36.275 h0.91 r270
  text "C1 10n" at 320.95,36.275 h0.91 r270
  text "Discharge" at 332,36.275 h0.91 r270
  text "R4 330" at 333.35,36.275 h0.91 r270
  text "R2 2K" at 334.825,36.275 h0.91 r270
  text "R1 100" at 336.35,36.275 h0.91 r270
  text "C1 10n" at 366.65,36.275 h0.91 r270
  text "Discharge" at 377.7,36.275 h0.91 r270
  text "R4 330" at 379.05,36.275 h0.91 r270
  text "R2 2K" at 380.525,36.275 h0.91 r270
  text "R1 100" at 382.05,36.275 h0.91 r270
  text "Fuse   1A" at 158.275,29.75 h0.91 r270
  text "Fuse   1A" at 203.975,29.75 h0.91 r270
  text "Fuse   1A" at 249.675,29.75 h0.91 r270
  text "Fuse   1A" at 295.375,29.75 h0.91 r270
  text "Fuse   1A" at 341.075,29.75 h0.91 r270
  text "Fuse 0.1A" at 160.25,29.6 h0.91 r270
  text "Fuse 0.1A" at 205.95,29.6 h0.91 r270
  text "Fuse 0.1A" at 251.65,29.6 h0.91 r270
  text "Fuse 0.1A" at 297.35,29.6 h0.91 r270
  text "Fuse 0.1A" at 343.05,29.6 h0.91 r270
  text "C1 10n" at 58.75,28.075 h0.91 r270
  text "C1 10n" at 104.45,28.075 h0.91 r270
  text "C1 10n" at 150.15,28.075 h0.91 r270
  text "C1 10n" at 195.85,28.075 h0.91 r270
  text "C1 10n" at 241.55,28.075 h0.91 r270
  text "C1 10n" at 287.25,28.075 h0.91 r270
  text "C1 10n" at 332.95,28.075 h0.91 r270
  text "C1 10n" at 378.65,28.075 h0.91 r270
  text "Fuse   1A" at 24.85,15.748 h0.91 r270
  text "Fuse   1A" at 70.55,15.748 h0.91 r270
  text "Fuse   1A" at 116.25,15.748 h0.91 r270
  text "Fuse   1A" at 161.95,15.748 h0.91 r270
  text "Fuse   1A" at 207.65,15.748 h0.91 r270
  text "Fuse   1A" at 253.35,15.748 h0.91 r270
  text "Fuse   1A" at 299.05,15.748 h0.91 r270
  text "Fuse   1A" at 344.75,15.748 h0.91 r270
  text "Fuse 0.1A" at 21.325,15.725 h0.91 r270
  text "Fuse 0.1A" at 67.025,15.725 h0.91 r270
  text "Fuse 0.1A" at 112.725,15.725 h0.91 r270
  text "Fuse 0.1A" at 158.425,15.725 h0.91 r270
  text "Fuse 0.1A" at 204.125,15.725 h0.91 r270
  text "Fuse 0.1A" at 249.825,15.725 h0.91 r270
  text "Fuse 0.1A" at 295.525,15.725 h0.91 r270
  text "Fuse 0.1A" at 341.225,15.725 h0.91 r270
Bottom Overlay:
  text "R3 100K NTC" at 53.8,41.7 h0.91 r180
  text "R3 100K NTC" at 99.5,41.7 h0.91 r180
  text "R3 100K NTC" at 145.2,41.7 h0.91 r180
  text "R3 100K NTC" at 190.9,41.7 h0.91 r180
  text "R3 100K NTC" at 236.6,41.7 h0.91 r180
  text "R3 100K NTC" at 282.3,41.7 h0.91 r180
  text "R3 100K NTC" at 328,41.7 h0.91 r180
  text "R3 100K NTC" at 373.7,41.7 h0.91 r180
  text "R5 3K3" at 53.8,40.375 h0.91 r180
  text "R5 3K3" at 99.5,40.375 h0.91 r180
  text "R5 3K3" at 145.2,40.375 h0.91 r180
  text "R5 3K3" at 190.9,40.375 h0.91 r180
  text "R5 3K3" at 236.6,40.375 h0.91 r180
  text "R5 3K3" at 282.3,40.375 h0.91 r180
  text "R5 3K3" at 328,40.375 h0.91 r180
  text "R5 3K3" at 373.7,40.375 h0.91 r180
  text "R5 3K3" at 25.1,32.35 h0.91 r180
  text "R5 3K3" at 70.8,32.35 h0.91 r180
  text "R5 3K3" at 70.8,32.35 h0.91 r180
  text "R5 3K3" at 70.8,32.35 h0.91 r180
  text "R5 3K3" at 70.8,32.35 h0.91 r180
  text "R5 3K3" at 70.8,32.35 h0.91 r180
  text "R5 3K3" at 116.5,32.35 h0.91 r180
  text "R5 3K3" at 162.2,32.35 h0.91 r180
  text "R5 3K3" at 207.9,32.35 h0.91 r180
  text "R5 3K3" at 253.6,32.35 h0.91 r180
  text "R5 3K3" at 299.3,32.35 h0.91 r180
  text "R5 3K3" at 345,32.35 h0.91 r180
  text "R3 100K NTC" at 20.7,31.125 h0.91 r180
  text "R3 100K NTC" at 66.4,31.125 h0.91 r180
  text "R3 100K NTC" at 66.4,31.125 h0.91 r180
  text "R3 100K NTC" at 66.4,31.125 h0.91 r180
  text "R3 100K NTC" at 66.4,31.125 h0.91 r180
  text "R3 100K NTC" at 66.4,31.125 h0.91 r180
  text "R3 100K NTC" at 112.1,31.125 h0.91 r180
  text "R3 100K NTC" at 157.8,31.125 h0.91 r180
  text "R3 100K NTC" at 203.5,31.125 h0.91 r180
  text "R3 100K NTC" at 249.2,31.125 h0.91 r180
  text "R3 100K NTC" at 294.9,31.125 h0.91 r180
  text "R3 100K NTC" at 340.6,31.125 h0.91 r180
Mechanical 8:
  lines w0.254: 1,3 ccw(c3,3) 3,1 375.6,1 382,1 ccw(c381.975,2.975) 383.95,3 383.95,19 383.95,52.8 383.95,68.8 ccw(c381.975,68.825) 382,70.8 375.6,70.8 3,70.8 ccw(c3,68.8) 1,68.8 1,3